# KiCad board USB_Hub.kicad_pcb
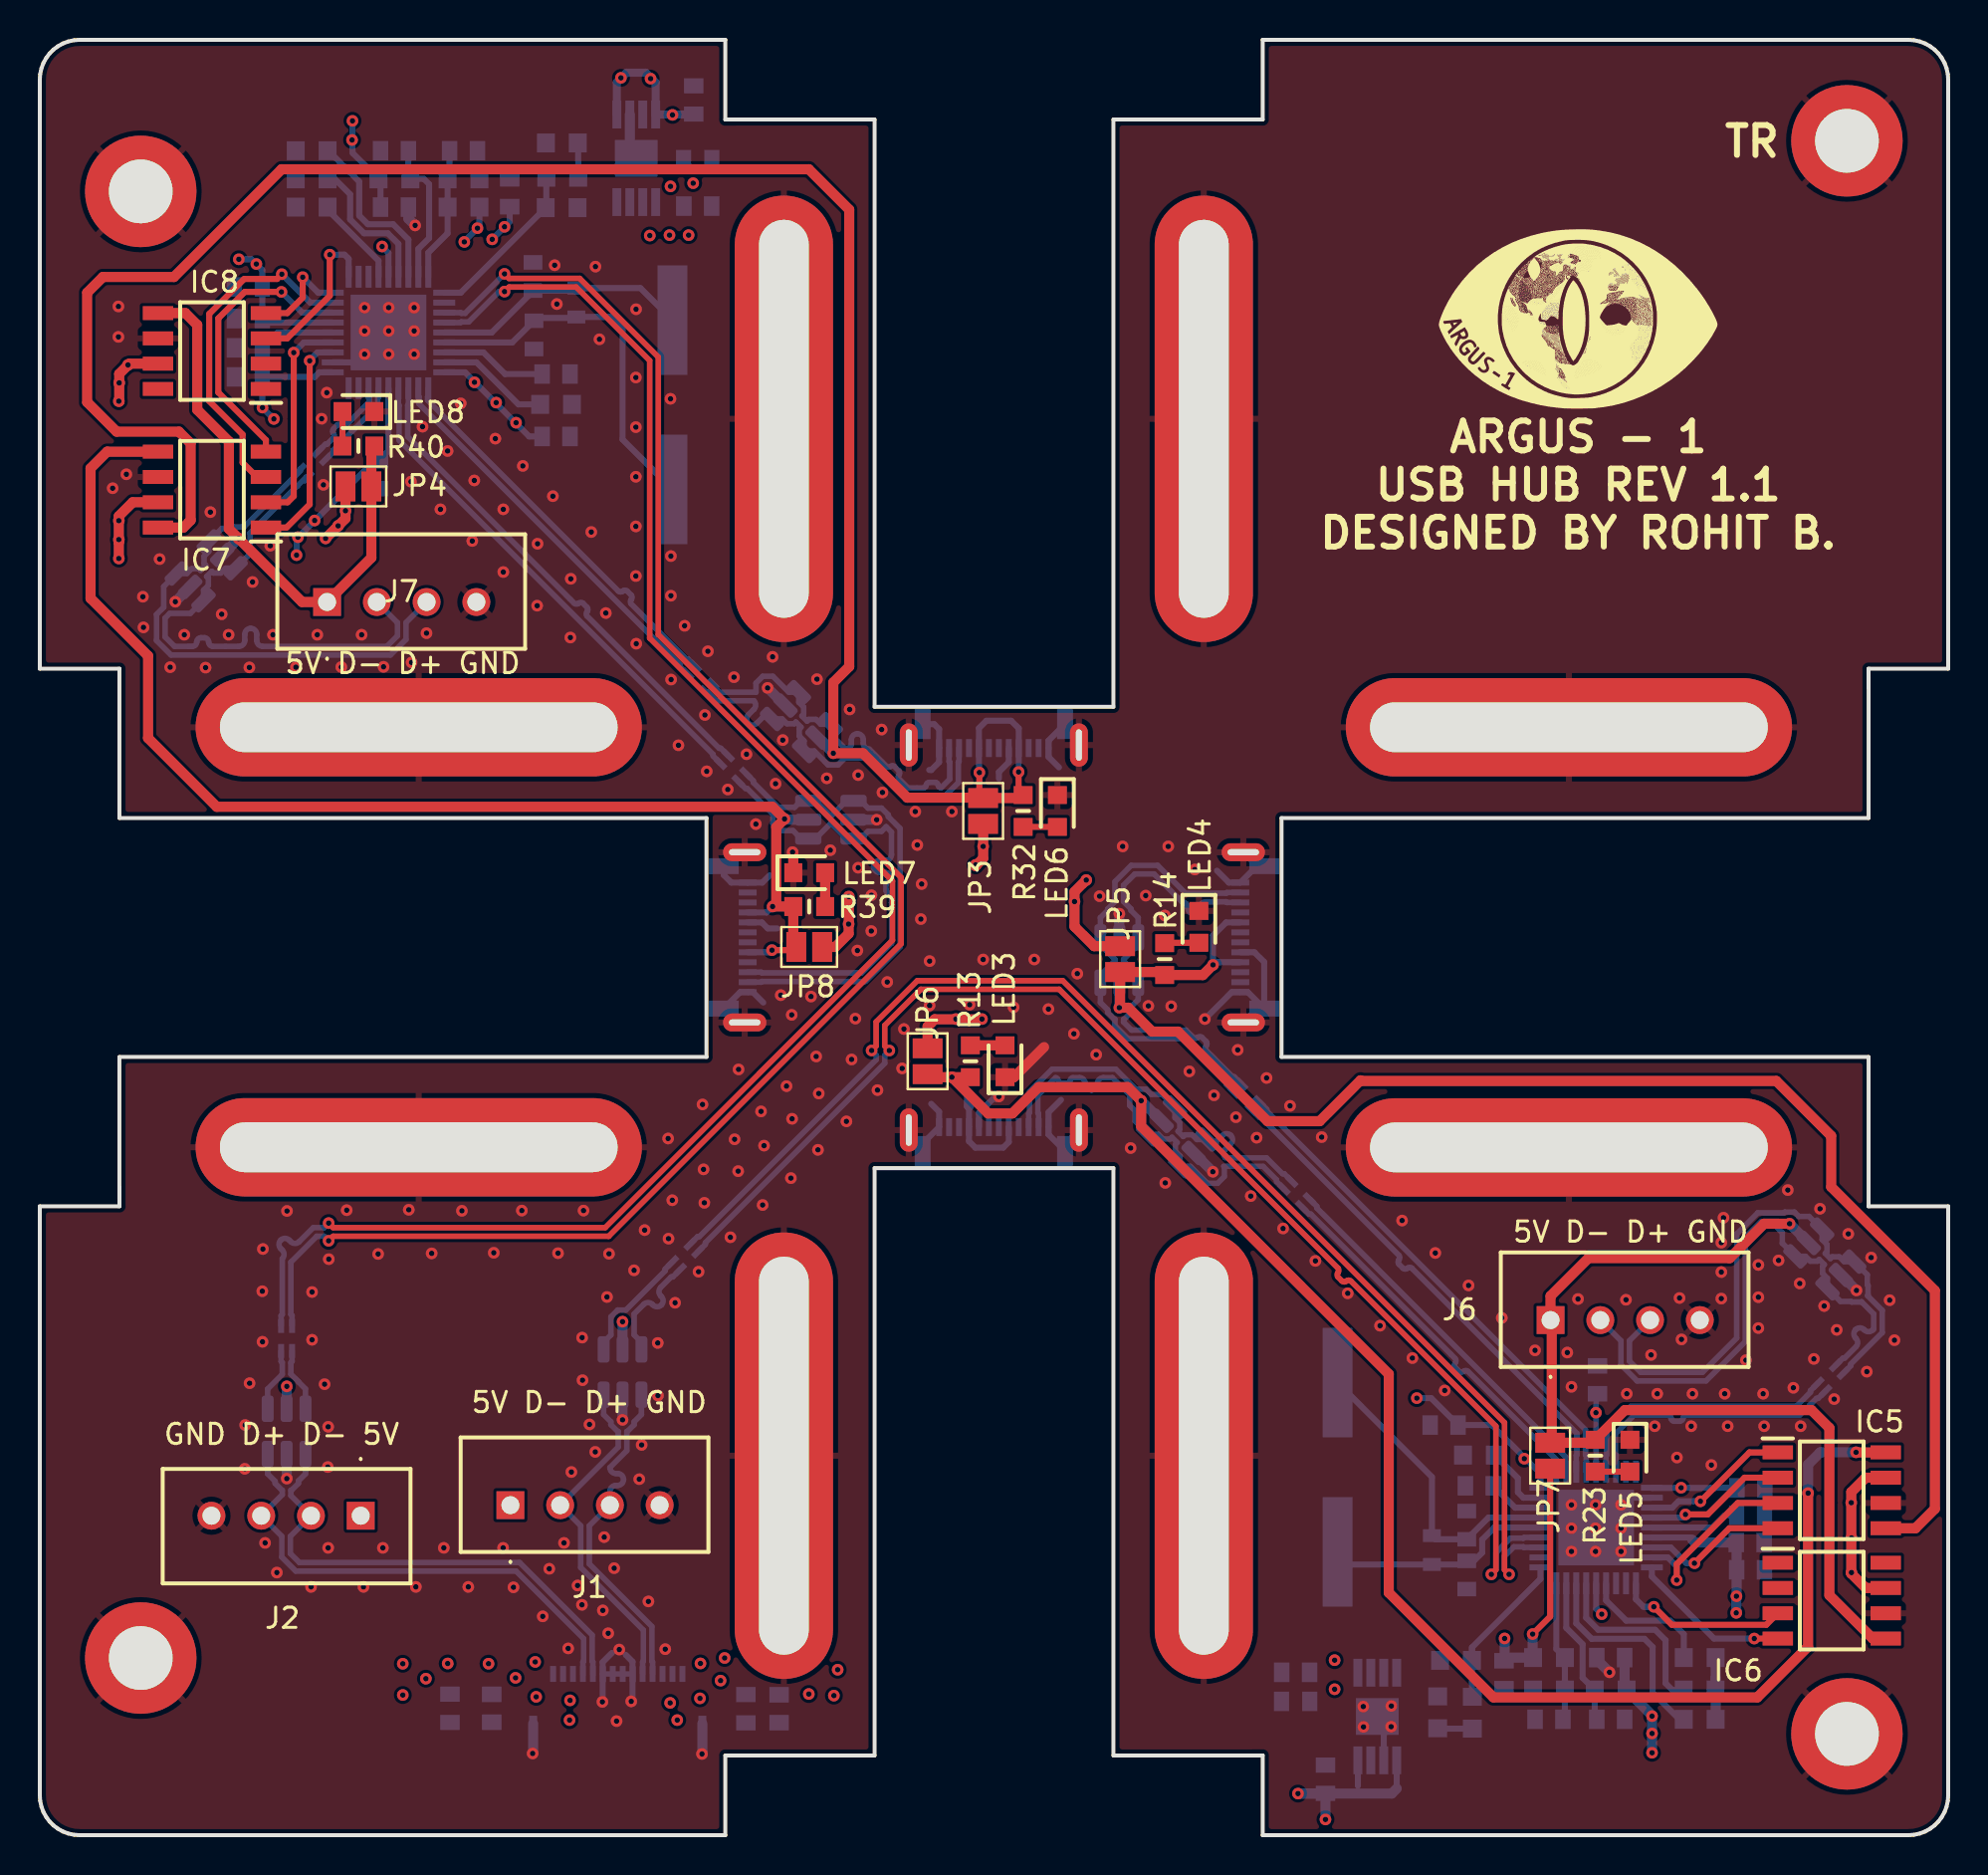
[diagram p0: board, top side]
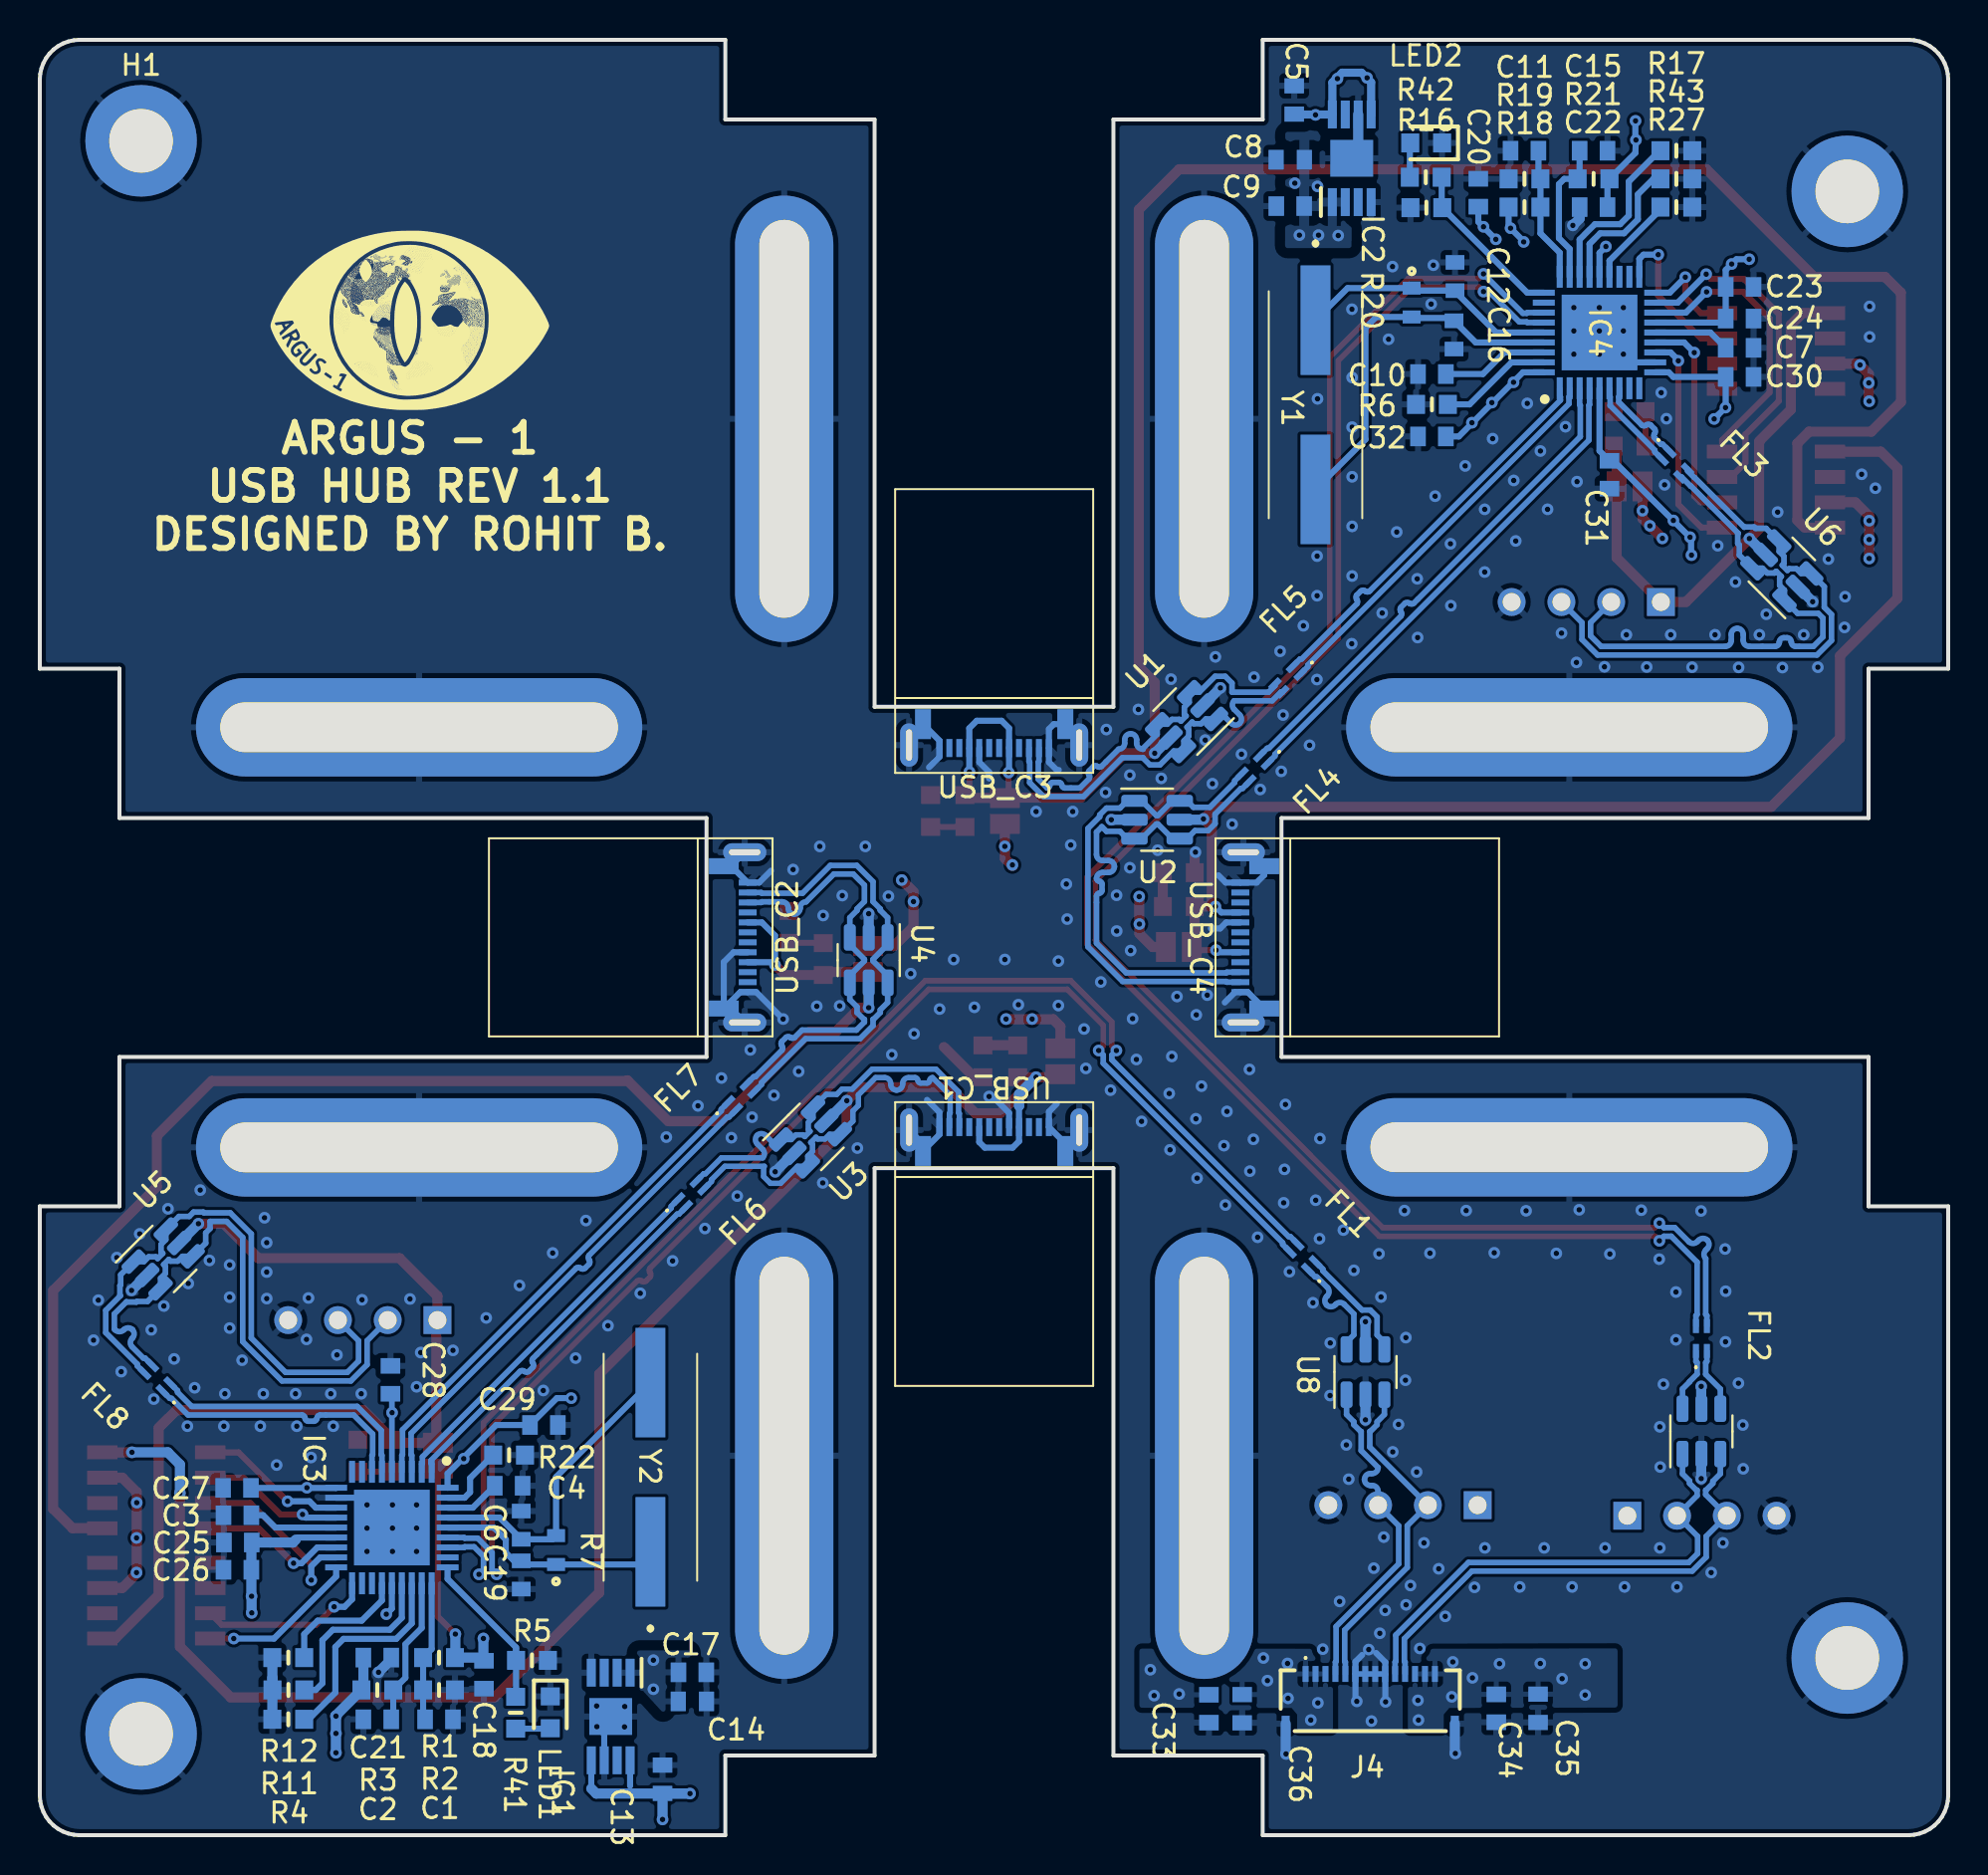
[diagram p1: board, bottom side, seen from below]

Outline 95.89 x 90.17 mm; copper layers: Top, In1.Cu, In2.Cu, Bottom. Coordinates in mm from the lower left corner of the outline.
Outline path: 0,88.17 0.02,88.45 0.08,88.73 0.18,89 0.32,89.25 0.49,89.48 0.69,89.68 0.92,89.85 1.17,89.99 1.44,90.09 1.72,90.15 2,90.17 34.45,90.17 34.45,86.17 35.38,86.17 41.95,86.17 41.95,56.67 53.95,56.67 53.95,86.17 61.45,86.17 61.45,90.17 93.89,90.17 94.17,90.15 94.45,90.09 94.72,89.99 94.97,89.85 95.2,89.68 95.4,89.48 95.57,89.25 95.71,89 95.81,88.73 95.87,88.45 95.89,88.17 95.89,58.59 91.89,58.59 91.89,57.66 91.89,51.09 62.39,51.09 62.39,39.09 91.89,39.09 91.89,31.59 95.89,31.59 95.89,2 95.87,1.72 95.81,1.44 95.71,1.17 95.57,0.92 95.4,0.69 95.2,0.49 94.97,0.32 94.72,0.18 94.45,0.08 94.17,0.02 93.89,0 61.45,0 61.45,4 60.52,4 53.95,4 53.95,33.5 41.95,33.5 41.95,4 34.45,4 34.45,0 2,0 1.72,0.02 1.44,0.08 1.17,0.18 0.92,0.32 0.69,0.49 0.49,0.69 0.32,0.92 0.18,1.17 0.08,1.44 0.02,1.72 0,2 0,31.59 4,31.59 4,32.52 4,39.09 33.5,39.09 33.5,51.09 4,51.09 4,58.59 0,58.59 0,88.17
Stack: Top 0.035mm / dielectric 0.203mm FR4 er 4.4 / In1.Cu 0.03mm / dielectric 0.7mm FR4 er 4.6 / In2.Cu 0.03mm / dielectric 0.203mm FR4 er 4.4 / Bottom 0.035mm

## Placement (name value [footprint] x y rotation side)
C1  0.1uF 10V  [CAPC1608X87N]  75.83 5.82 0 bottom
C2  0.1uF 10V  [CAPC1608X87N]  78.93 5.82 180 bottom
C3  1uF 10V  [CAPC1608X87N]  85.96 16.07 180 bottom
C4  1uF 10V  [CAPC1608X87N]  72.33 17.55 0 bottom
C5  1uF 10V  [CAPC1608X95N]  32.86 87.15 270 bottom
C6  50V 18pF 5%  [CAPC1608X90N]  71.7 15.57 270 bottom
C7  1uF 10V  [CAPC1608X87N]  10.48 74.7 0 bottom
C8  1uF 10V  [CAPC1608X95N]  33.06 84.15 180 bottom
C9  0.1uF 10V  [CAPC1608X87N]  33.06 81.82 180 bottom
C10  1uF 10V  [CAPC1608X87N]  25.94 73.38 180 bottom
C11  0.1uF 10V  [CAPC1608X87N]  21.29 84.6 180 bottom
C12  50V 18pF 5%  [CAPC1608X90N]  24.78 78.28 270 bottom
C13  1uF 10V  [CAPC1608X95N]  64.6 2.81 270 bottom
C14  1uF 10V  [CAPC1608X95N]  63.1 6.72 0 bottom
C15  0.1uF 10V  [CAPC1608X87N]  17.82 84.6 0 bottom
C16  50V 18pF 5%  [CAPC1608X90N]  24.83 75.35 90 bottom
C17  0.1uF 10V  [CAPC1608X87N]  63.1 8.18 0 bottom
C18  1uF 10V  [CAPC1608X87N]  73.57 8.06 270 bottom
C19  50V 18pF 5%  [CAPC1608X90N]  71.7 13.07 90 bottom
C20  1uF 10V  [CAPC1608X87N]  23.61 82.49 90 bottom
C21  0.1uF 10V  [CAPC1608X87N]  78.93 8.92 0 bottom
C22  0.1uF 10V  [CAPC1608X87N]  17.82 81.77 180 bottom
C23  0.1uF 10V  [CAPC1608X87N]  10.48 77.76 0 bottom
C24  4.7uF 10V  [CAPC1608X87N]  10.48 76.17 0 bottom
C25  0.1uF 10V  [CAPC1608X87N]  85.94 14.7 180 bottom
C26  4.7uF 10V  [CAPC1608X87N]  85.96 13.33 180 bottom
C27  0.1uF 10V  [CAPC1608X87N]  85.98 17.44 180 bottom
C28  0.1uF 10V  [CAPC1608X87N]  78.27 22.87 270 bottom
C29  0.1uF 10V  [CAPC1608X87N]  70.56 20.6 0 bottom
C30  0.1uF 10V  [CAPC1608X87N]  10.48 73.24 0 bottom
C31  0.1uF 10V  [CAPC1608X87N]  17.02 68.33 90 bottom
C32  0.1uF 10V  [CAPC1608X87N]  25.94 70.25 180 bottom
C33  4.7uF 10V  [CAPC1608X87N]  37.15 6.35 90 bottom
C34  4.7uF 10V  [CAPC1608X87N]  22.71 6.37 90 bottom
C35  1uF 10V  [CAPC1608X95N]  20.61 6.37 90 bottom
C36  1uF 10V  [CAPC1608X95N]  35.48 6.35 90 bottom
FL1  -  [DLM11SN900HZ2L]  32.43 29.05 45 bottom
FL2  -  [DLM11SN900HZ2L]  12.4 24.95 90 bottom
FL3  -  [DLM11SN900HZ2L]  13.73 68.85 225 bottom
FL4  -  [DLM11SN900HZ2L]  34.84 53.58 315 bottom
FL5  -  [DLM11SN900HZ2L]  33.19 58.06 315 bottom
FL6  -  [DLM11SN900HZ2L]  63.15 32.21 135 bottom
FL7  -  [DLM11SN900HZ2L]  60.64 37.08 135 bottom
FL8  -  [DLM11SN900HZ2L]  89.98 22.95 45 bottom
G***  LOGO  [Argus LOGO]  77.1 76.21 0 top
G***#2  LOGO  [Argus LOGO]  77.5 76.14 180 bottom
H1  MountingHole_Pad  [MountingHole_3.2mm_M3_DIN965_Pad]  90.8 85.1 180 bottom
H2  MountingHole_Pad  [MountingHole_3.2mm_M3_DIN965_Pad]  5.07 82.56 180 bottom
H3  MountingHole_Pad  [MountingHole_3.2mm_M3_DIN965_Pad]  5.07 8.9 180 bottom
H4  MountingHole_Pad  [MountingHole_3.2mm_M3_DIN965_Pad]  90.8 5.09 180 bottom
H9  MountingHole_Pad  [MountingHole_USB]  58.49 71.13 90 top
H10  MountingHole_Pad  [MountingHole_USB]  58.49 19.06 270 top
H11  MountingHole_Pad  [MountingHole_USB]  37.39 19.06 90 top
H12  MountingHole_Pad  [MountingHole_USB]  19.04 55.64 180 top
H13  MountingHole_Pad  [MountingHole_USB]  37.39 71.13 90 top
H14  MountingHole_Pad  [MountingHole_USB]  76.83 34.54 0 top
H15  MountingHole_Pad  [MountingHole_USB]  76.83 55.64 180 top
H16  MountingHole_Pad  [MountingHole_USB]  19.04 34.55 0 top
IC1  TLV76733DGNR  [SOP65P490X110-9N]  67.2 5.96 270 bottom
IC2  TLV76733DGNR  [SOP65P490X110-9N]  29.97 84.22 90 bottom
IC3  USB2513B_M2  [QFN50P600X600X100-37N-D]  78.2 15.45 270 bottom
IC4  USB2513B_M2  [QFN50P600X600X100-37N-D]  17.52 75.47 90 bottom
IC5  MIC2026-1YM-TR  [SOIC127P600X163-8N]  90.04 17.32 0 top
IC6  MIC2026-1YM-TR  [SOIC127P600X163-8N]  90.04 11.78 0 top
IC7  MIC2026-1YM-TR  [SOIC127P600X163-8N]  8.65 67.58 180 top
IC8  MIC2026-1YM-TR  [SOIC127P600X163-8N]  8.65 74.54 180 top
J1  B4B-XH-A  [B4BXHA]  16.12 16.05 180 top
J2  B4B-XH-A  [B4BXHA]  23.65 16.58 0 top
J4  -  [F3311A7H121014E200]  29.04 6.75 180 bottom
J6  B4B-XH-A  [B4BXHA]  75.91 25.87 0 top
J7  B4B-XH-A  [B4BXHA]  14.44 61.94 0 top
JP3  SolderJumper_2_Open  [SolderJumper-2_P1.3mm_Open_Pad1.0x1.5mm]  47.4 51.44 270 top
JP4  SolderJumper_2_Open  [SolderJumper-2_P1.3mm_Open_Pad1.0x1.5mm]  16.01 67.74 180 top
JP5  SolderJumper_2_Open  [SolderJumper-2_P1.3mm_Open_Pad1.0x1.5mm]  54.28 44 90 top
JP6  SolderJumper_2_Open  [SolderJumper-2_P1.3mm_Open_Pad1.0x1.5mm]  44.61 38.87 90 top
JP7  SolderJumper_2_Open  [SolderJumper-2_P1.3mm_Open_Pad1.0x1.5mm]  75.89 19.06 270 top
JP8  SolderJumper_2_Open  [SolderJumper-2_P1.3mm_Open_Pad1.0x1.5mm]  38.66 44.61 0 top
LED1  RED LED 0603  [LEDC1608X60N]  70.24 6.17 270 bottom
LED2  RED LED 0603  [LEDC1608X60N]  26.23 84.99 0 bottom
LED3  GREEN LED 0603  [LEDC1608X60N]  48.5 38.87 90 top
LED4  GREEN LED 0603  [LEDC1608X60N]  58.24 45.62 270 top
LED5  GREEN LED 0603  [LEDC1608X60N]  79.9 19.06 270 top
LED6  GREEN LED 0603  [LEDC1608X60N]  51.13 51.44 270 top
LED7  GREEN LED 0603  [LEDC1608X60N]  38.66 48.34 0 top
LED8  GREEN LED 0603  [LEDC1608X60N]  16.01 71.5 180 top
R1  100K 0.1W  [RESC1608X55N]  75.83 8.92 180 bottom
R2  100K 0.1W  [RESC1608X55N]  75.83 7.29 0 bottom
R3  100K 0.1W  [RESC1608X55N]  78.93 7.29 0 bottom
R4  100K 0.1W  [RESC1608X55N]  83.4 5.82 180 bottom
R5  100K 0.1W  [RESC1608X55N]  71.16 8.78 0 bottom
R6  12K 0.1W  [RESC1608X55N]  25.94 71.86 180 bottom
R7  1Mohm 250 mW 5%  [ERJP03_PA3__0603_]  69.95 14.32 90 bottom
R11  100K 0.1W  [RESC1608X55N]  83.4 7.29 180 bottom
R12  100K 0.1W  [RESC1608X55N]  83.4 8.92 180 bottom
R13  ESR03EZPJ331  [RESC1608X55N]  46.76 38.87 270 top
R14  ESR03EZPJ331  [RESC1608X55N]  56.52 44 270 top
R16  100K 0.1W  [RESC1608X55N]  26.22 81.74 180 bottom
R17  100K 0.1W  [RESC1608X55N]  13.66 84.6 0 bottom
R18  100K 0.1W  [RESC1608X55N]  21.29 81.77 0 bottom
R19  100K 0.1W  [RESC1608X55N]  21.29 83.19 180 bottom
R20  1Mohm 250 mW 5%  [ERJP03_PA3__0603_]  26.96 76.98 270 bottom
R21  100K 0.1W  [RESC1608X55N]  17.82 83.19 180 bottom
R22  12K 0.1W  [RESC1608X55N]  72.31 19.09 0 bottom
R23  ESR03EZPJ331  [RESC1608X55N]  78.16 19.06 90 top
R27  100K 0.1W  [RESC1608X55N]  13.66 81.77 0 bottom
R32  ESR03EZPJ331  [RESC1608X55N]  49.41 51.44 90 top
R39  ESR03EZPJ331  [RESC1608X55N]  38.66 46.64 180 top
R40  ESR03EZPJ331  [RESC1608X55N]  16.01 69.77 0 top
R41  1K 0.1W  [RESC1608X55N]  71.98 6.15 90 bottom
R42  1K 0.1W  [RESC1608X55N]  26.25 83.27 180 bottom
R43  100K 0.1W  [RESC1608X55N]  13.66 83.19 0 bottom
U1  USBLC6-2SC6  [SOT-23-6]  38.27 55.93 315 bottom
U2  USBLC6-2SC6  [SOT-23-6]  39.75 51 180 bottom
U3  USBLC6-2SC6  [SOT-23-6]  57.17 35.07 135 bottom
U4  USBLC6-2SC6  [SOT-23-6]  54.24 43.95 270 bottom
U5  USBLC6-2SC6  [SOT-23-6]  89.69 28.94 135 bottom
U6  USBLC6-2SC6  [SOT-23-6]  8.36 63.5 45 bottom
U7  USBLC6-2SC6  [SOT-23-6]  12.4 20.28 90 bottom
U8  USBLC6-2SC6  [SOT-23-6]  29.28 23.26 90 bottom
USB_C1  ~  [PLUG-USBC-121SMT-4BS2S]  47.94 35.56 180 bottom
USB_C2  ~  [PLUG-USBC-121SMT-4BS2S]  60.32 45.09 270 bottom
USB_C3  ~  [PLUG-USBC-121SMT-4BS2S]  47.94 54.6 0 bottom
USB_C4  ~  [PLUG-USBC-121SMT-4BS2S]  35.57 45.09 90 bottom
Y1  -  [HCM4924000000ABJT]  31.79 71.84 270 bottom
Y2  -  [HCM4924000000ABJT]  65.21 18.48 90 bottom

## Library data of the parts
C1-C4 C7 C9-C11 C15 C17 C18 C20-C34 = -: Description: Multilayer Ceramic Capacitors MLCC - SMD/SMT 10V 0.1uF X7R 0603 10%; Height: 0.87; Manufacturer_Name: KEMET; Manufacturer_Part_Number: C0603T104K8RAC7867; Mouser Part Number: 80-C0603T104K8RACTU; Mouser Price/Stock: https://www.mouser.co.uk/ProductDetail/KEMET/C0603T104K8RAC7867/?qs=u16ybLDytRacEvii9M2jow%3D%3D
C5 C8 C13 C14 C35 C36 = -: Description: Multilayer Ceramic Capacitors MLCC - SMD/SMT 1.0uF +/-10% 50V X7R 0603; Arrow Part Number: CL10B105KB8NQNC; Arrow Price/Stock: https://www.arrow.com/en/products/cl10b105kb8nqnc/samsung-electro-mechanics?region=europe; Height: 0.95; Manufacturer_Name: SAMSUNG; Manufacturer_Part_Number: CL10B105KB8NQNC; Mouser Part Number: 187-CL10B105KB8NQNC; Mouser Price/Stock: https://www.mouser.co.uk/ProductDetail/Samsung-Electro-Mechanics/CL10B105KB8NQNC?qs=Jm2GQyTW%2FbjBq1uiSyA2AQ%3D%3D
C6 C12 C16 C19 = -: Description: Multilayer Ceramic Capacitors MLCC - SMD/SMT 50V 18pF C0G 0603 5% Tol; Arrow Part Number: 06035A180J4T2A; Arrow Price/Stock: https://www.arrow.com/en/products/06035a180j4t2a/avx; Height: 0.9; Manufacturer_Name: AVX; Manufacturer_Part_Number: 06035A180J4T2A; Mouser Part Number: 581-06035A180J4T2A; Mouser Price/Stock: https://www.mouser.co.uk/ProductDetail/AVX/06035A180J4T2A?qs=Q0wCMCRSJ1tlgKsEfw0uTA%3D%3D
FL1-FL8 = -: Description: 2 Line Common Mode Choke Surface Mount 90 Ohms @ 100 MHz 100mA DCR 1.38Ohm; Arrow Price/Stock: https://www.arrow.com/en/products/dlm11sn900hz2l/murata-manufacturing?region=nac; Height: 0.6; Manufacturer_Name: Murata Electronics; Mouser Part Number: 81-DLM11SN900HZ2L; Mouser Price/Stock: https://www.mouser.co.uk/ProductDetail/Murata-Electronics/DLM11SN900HZ2L?qs=lEfY3O89Aqk%252BOsIwi%252BZA3g%3D%3D
H1-H4 H9-H16 = -: Description: Mounting Hole with connection
IC1 IC2 = -: Description: LDO Voltage Regulators 1-A, 16-V, high-PSRR, high-accuracy, low-dropout voltage regulator with enable; Arrow Price/Stock: https://www.arrow.com/en/products/tlv76733dgnr/texas-instruments?region=nac; Height: 1.1; Manufacturer_Name: Texas Instruments; Mouser Part Number: 595-TLV76733DGNR; Mouser Price/Stock: https://www.mouser.co.uk/ProductDetail/Texas-Instruments/TLV76733DGNR?qs=W%2FMpXkg%252BdQ7WCurh%2FfEdlw%3D%3D
IC3 IC4 = -: Description: USB Interface IC 3-Port USB 2.0 Hi-Speed Hub Cont; Arrow Part Number: USB2513B/M2; Arrow Price/Stock: https://www.arrow.com/en/products/usb2513bm2/microchip-technology?region=europe; Height: 1; Manufacturer_Name: Microchip; Manufacturer_Part_Number: USB2513B/M2; Mouser Part Number: 579-USB2513B/M2; Mouser Price/Stock: https://www.mouser.co.uk/ProductDetail/Microchip-Technology/USB2513B-M2?qs=uus7iwvxYD8fly9xV9Wytg%3D%3D
IC5-IC8 = -: Description: MICROCHIP - MIC2026-1YM-TR - SWITCH, MOSFET, DUAL, ACTIVE HIGH, 8SOIC; Arrow Price/Stock: https://www.arrow.com/en/products/mic2026-1ym-tr/microchip-technology?region=europe; Height: 1.63; Manufacturer_Name: Microchip; Mouser Part Number: 998-MIC2026-1YMTR; Mouser Price/Stock: https://www.mouser.co.uk/ProductDetail/Microchip-Technology/MIC2026-1YM-TR?qs=Y3Q3JoKAO1RvSBXTScKjGw%3D%3D
J1 J2 J6 J7 = -: Description: Wire-board; socket; male; XH; 2.5mm; PIN: 4; THT; 250V; 3A; -2585C; Height: 7; Manufacturer_Name: JST (JAPAN SOLDERLESS TERMINALS)
J4 = -: Description: Flex Connector, P=0.50mm, H=1.00mm, Right angle orientation, Flip type, ZIF, Double contact, point 14P; Height: 1.12; Manufacturer_Name: Amphenol Communications Solutions
JP3-JP8 = -: Description: Solder Jumper, 2-pole, open
LED1-LED8 = -: Description: LED RED DIFFUSED 0603 SMD; Height: 0.6; Manufacturer_Name: Harvatek; Manufacturer_Part_Number: B1931URO-20D000114U1930
R1-R5 R11 R12 R16-R19 R21 R27 R43 = -: Description: RES, 0603, 100 Kohm, 1%, 0.1W; Arrow Part Number: RMCF0603FT100K; Arrow Price/Stock: https://www.arrow.com/en/products/rmcf0603ft100k/stackpole-electronics?region=nac; Height: 0.55; Manufacturer_Name: Stackpole Electronics, Inc.; Manufacturer_Part_Number: RMCF0603FT100K; Mouser Part Number: 708-RMCF0603FT100K; Mouser Price/Stock: https://www.mouser.co.uk/ProductDetail/SEI-Stackpole/RMCF0603FT100K?qs=MyNHzdoqoQJaOoUDs3M%252BVg%3D%3D
R6 R22 = -: Description: RES, 0603, 12 Kohm, 1%, 0.1W; Arrow Part Number: RMCF0603FT12K0; Arrow Price/Stock: https://www.arrow.com/en/products/rmcf0603ft12k0/stackpole-electronics?region=nac; Height: 0.55; Manufacturer_Name: Stackpole Electronics, Inc.; Manufacturer_Part_Number: RMCF0603FT12K0
R7 R20 = -: Description: Anti-Surge Thick Film Chip Resistor, 0603; Arrow Part Number: ERJ-PA3J105V; Arrow Price/Stock: https://www.arrow.com/en/products/erj-pa3j105v/panasonic?region=nac; Height: 0.55; Manufacturer_Name: Panasonic; Manufacturer_Part_Number: ERJ-PA3J105V; Mouser Part Number: 667-ERJ-PA3J105V; Mouser Price/Stock: https://www.mouser.co.uk/ProductDetail/Panasonic/ERJ-PA3J105V?qs=BzJM0faLVqUF25o70U8vUg%3D%3D
R13 R14 R23 R32 R39 R40 = -: Description: Thick Film Resistors - SMD 0603 330ohm 5% Anti Surge AEC-Q200; Arrow Price/Stock: https://www.arrow.com/en/products/esr03ezpj331/rohm-semiconductor; Height: 0.55; Manufacturer_Name: ROHM Semiconductor; Mouser Part Number: 755-ESR03EZPJ331; Mouser Price/Stock: https://www.mouser.co.uk/ProductDetail/ROHM-Semiconductor/ESR03EZPJ331?qs=DyUWGjl%252BcVuEQIiw%252BHs%2F7g%3D%3D
R41 R42 = -: Description: RES, 0603, 1 Kohm, 1%, 0.1W; Arrow Part Number: RMCF0603FT1K00; Arrow Price/Stock: https://www.arrow.com/en/products/rmcf0603ft1k00/stackpole-electronics?region=nac; Height: 0.55; Manufacturer_Name: Stackpole Electronics, Inc.; Manufacturer_Part_Number: RMCF0603FT1K00; Mouser Part Number: 708-RMCF0603FT1K00; Mouser Price/Stock: https://www.mouser.co.uk/ProductDetail/SEI-Stackpole/RMCF0603FT1K00?qs=FESYatJ8odI%252BYiPlprc1Pg%3D%3D
U1-U8 = -: Description: Very low capacitance ESD protection diode, 2 data-line, SOT-23-6
USB_C1-USB_C4 = -: Description: USB-C (USB TYPE-C) USB 2.0 Plug Connector 24 (12+12 Dummy) Position Surface Mount, Right Angle
Y1 Y2 = -: Description: AT-CUT CRYSTAL UNIT (SMD  Metal-can Type); Height: 4.3; Manufacturer_Name: CITIZEN FINEDEVICE; Mouser Part Number: 695-HCM4924.0ABJT; Mouser Price/Stock: https://www.mouser.co.uk/ProductDetail/Citizen-FineDevice/HCM4924000000ABJT?qs=byeeYqUIh0Mz0GkevvEzSA%3D%3D

## Footprints (pads in the part's own frame, mm; a bottom-side part is the same pattern mirrored in y, then rotated)
B4BXHA
  rect 1.4x1.4 hole 0.9: 1(0,0)
  round 1.4 hole 0.9: 2(2.5,0) 3(5,0) 4(7.5,0)
CAPC1608X87N
  rect 0.78x0.98 smd: 1(-0.7,0) 2(0.7,0)
CAPC1608X90N
  rect 0.73x0.94 smd: 1(-0.71,0) 2(0.71,0)
CAPC1608X95N
  rect 0.76x0.98 smd: 1(-0.71,0) 2(0.71,0)
DLM11SN900HZ2L
  rect 0.7x0.3 smd: 1(-0.625,0.275) 2(0.625,0.275) 3(0.625,-0.275) 4(-0.625,-0.275)
ERJP03_PA3__0603_
  rect 0.65x0.9 smd: 1(-0.725,0) 2(0.725,0)
F3311A7H121014E200
  rect 0.3x0.8 smd: 1(-3.25,1.345) 2(-2.75,1.345) 3(-2.25,1.345) 4(-1.75,1.345) 5(-1.25,1.345) 6(-0.75,1.345) 7(-0.25,1.345) 8(0.25,1.345) 9(0.75,1.345) 10(1.25,1.345) 11(1.75,1.345) 12(2.25,1.345) 13(2.75,1.345) 14(3.25,1.345)
  rect 0.4x0.8 smd: MP1(-4.25,-1.155) MP2(4.25,-1.155)
HCM4924000000ABJT
  rect 5.5x1.5 smd: 1(-4.25,0) 2(4.25,0)
LEDC1608X60N
  rect 0.9x0.95 smd: 1(-0.8,0) 2(0.8,0)
MountingHole_3.2mm_M3_DIN965_Pad
  round 5.6 hole 3.2: 1(0,0)
MountingHole_USB
  oval 22.423x4.938 hole 19.985x2.5: 1(0,0)
PLUG-USBC-121SMT-4BS2S
  rect 0.3x0.9 smd: A01(2.75,0) A02(2.25,0) A03(1.75,0) A04(1.25,0) A05(-1.25,0) A06(-1.75,0) A07(-2.25,0) A12(-2.75,0) B09(-0.75,0) B10(-0.25,0) B11(0.25,0) B12(0.75,0)
  rect 0.8x1.5 smd: GND(-3.575,-1.2) GND(3.575,-1.2)
  oval 0.9x2.178 hole 0.3x1.578: Shield(-4.275,-0.15) Shield(4.275,-0.15)
QFN50P600X600X100-37N-D
  rect 1.1x0.3 smd: 1(-2.8,2) 2(-2.8,1.5) 3(-2.8,1) 4(-2.8,0.5) 5(-2.8,0) 6(-2.8,-0.5) 7(-2.8,-1) 8(-2.8,-1.5) 9(-2.8,-2) 19(2.8,-2) 20(2.8,-1.5) 21(2.8,-1) 22(2.8,-0.5) 23(2.8,0) 24(2.8,0.5) 25(2.8,1) 26(2.8,1.5) 27(2.8,2)
  rect 0.3x1.1 smd: 10(-2,-2.8) 11(-1.5,-2.8) 12(-1,-2.8) 13(-0.5,-2.8) 14(0,-2.8) 15(0.5,-2.8) 16(1,-2.8) 17(1.5,-2.8) 18(2,-2.8) 28(2,2.8) 29(1.5,2.8) 30(1,2.8) 31(0.5,2.8) 32(0,2.8) 33(-0.5,2.8) 34(-1,2.8) 35(-1.5,2.8) 36(-2,2.8)
  rect 3.8x3.8 smd: 37(0,0)
RESC1608X55N
  rect 0.9x0.95 smd: 1(-0.8,0) 2(0.8,0)
SOIC127P600X163-8N
  rect 1.525x0.7 smd: 1(-2.712,1.905) 2(-2.712,0.635) 3(-2.712,-0.635) 4(-2.712,-1.905) 5(2.712,-1.905) 6(2.712,-0.635) 7(2.712,0.635) 8(2.712,1.905)
SolderJumper-2_P1.3mm_Open_Pad1.0x1.5mm
  rect 1x1.5 smd: 1(-0.65,0) 2(0.65,0)
SOP65P490X110-9N
  rect 1.4x0.45 smd: 1(-2.2,0.975) 2(-2.2,0.325) 3(-2.2,-0.325) 4(-2.2,-0.975) 5(2.2,-0.975) 6(2.2,-0.325) 7(2.2,0.325) 8(2.2,0.975)
  rect 1.846x2.15 smd: 9(0,0)
SOT-23-6
  rrect 1.325x0.6 smd: 1(-1.137,0.95) 2(-1.137,0) 3(-1.137,-0.95) 4(1.137,-0.95) 5(1.137,0) 6(1.137,0.95)
